# Altium PCB PROC099A_ASCII.PcbDoc (part 5 of 6) (continued)
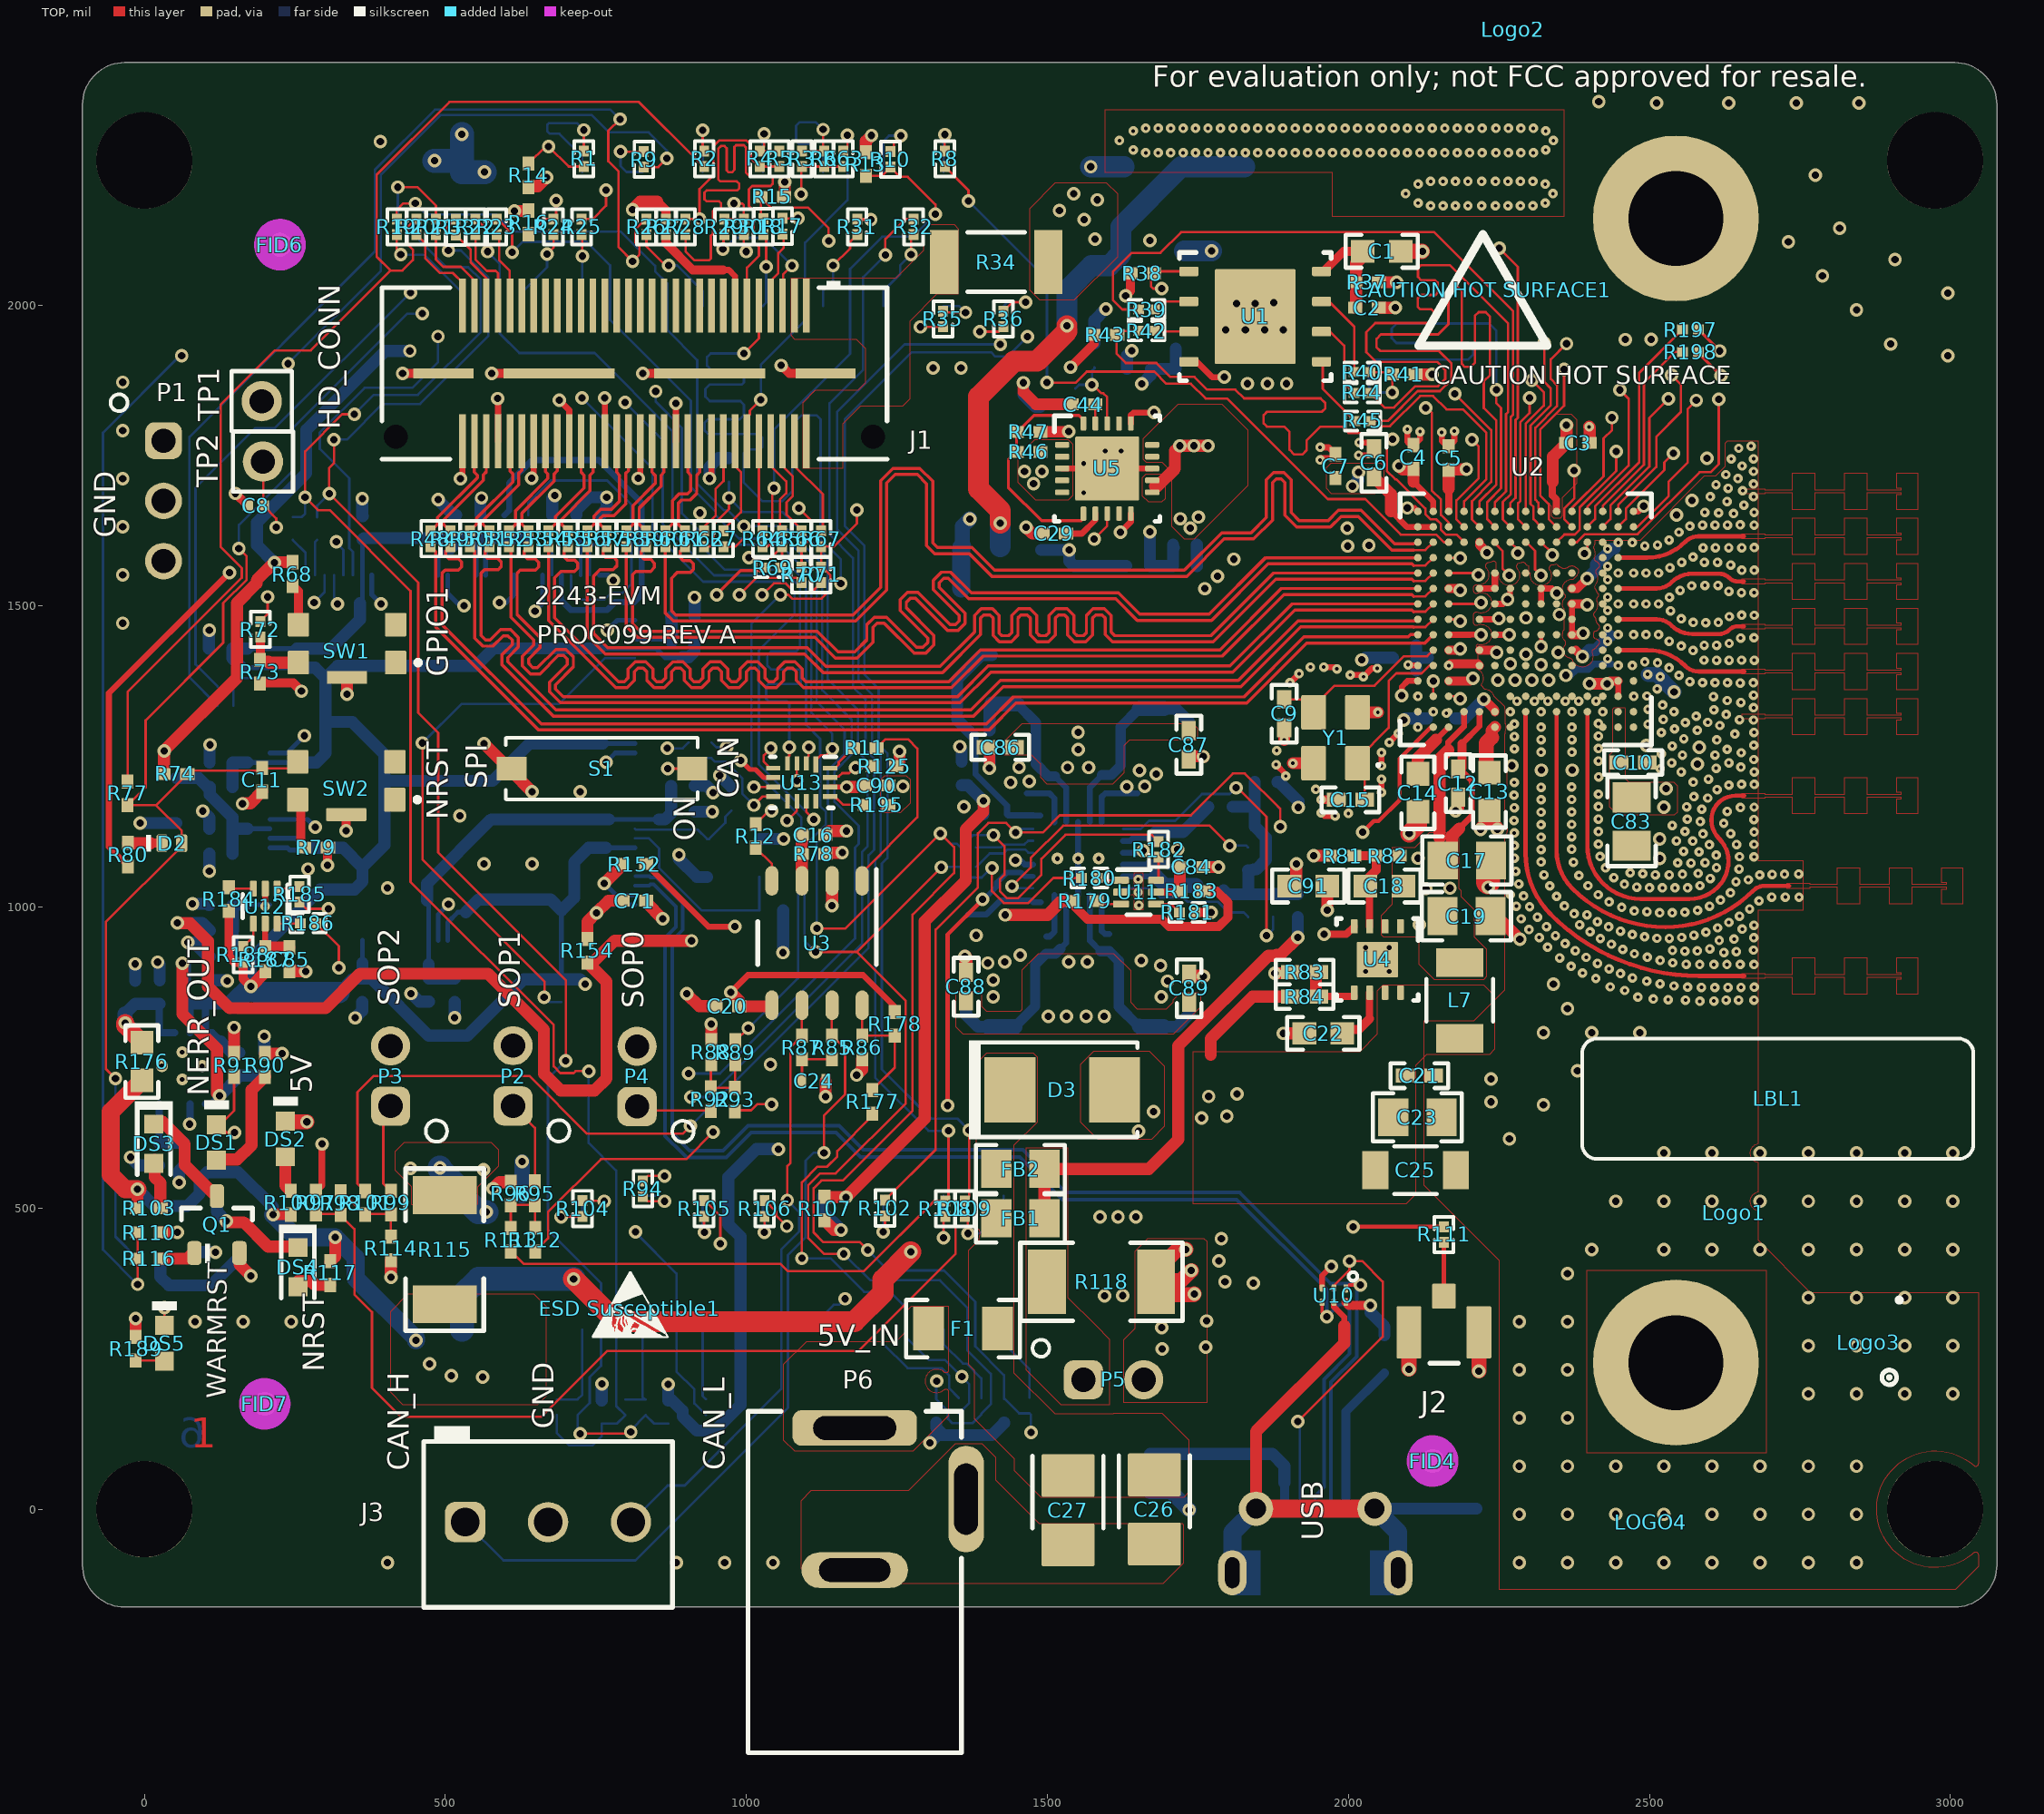
[diagram p0: TOP view]
## Polygon pours and split planes (outlines as drawn) (continued)
GND on TOP "GND 1-No Net" (solid, remove dead copper, pour order 1154): 1222.3,1210.76 1222.3,1158.69 1223.78,1157.21 1256.62,1157.21 1272.75,1173.35 1272.75,1211.41 1266.28,1217.88 1229.42,1217.88
5V_UNREG on TOP "TOP-5V_UNREG" (solid, remove dead copper, pour order 1171): 1645.66,428.88 1666.78,450 1760,450 1765,445 1765,177 1627,177 1627,282 1645.66,300.66
NetC26_1 on TOP "TOP-UNNAMED_9_CAPPOLARIZED_I74_1" (solid, remove dead copper, pour order 1178): 36 vertices, not listed, extent 1368.3,20.3 1735.5,757
GND on TOP "TOP-GND 6" (solid, remove dead copper, pour order 1167): 1673.76,615.01 1695,636.25 1695,676 1694.5,676.5 1694.5,735.5 1670,760 1576.63,760 1555.01,738.38 1555.01,642.99 1582.99,615.01
AR_1V2 on TOP "GND 1-No Net" (solid, remove dead copper, pour order 1165): 2344.78,1819.06 2370.22,1819.06 2379.16,1810.12 2379.16,1703.66 2355.11,1679.62 2355.11,1648.99 2351.76,1645.64 2341.19,1645.64 2337.64,1649.19 2337.64,1664.71 2318.55,1683.8 2318.55,1792.83
GND on TOP "TOP-GND" (solid, remove dead copper, pour order 1181): 2358,2324.5 2358,2146.5 1974,2146.5 1974,2219.5 1596,2219.5 1596,2324.5 2358,2324.5
NetF1_2 on TOP "TOP-UNNAMED_9_FUSE_I161_1" (solid, remove dead copper, pour order 1176): 92 vertices, not listed, extent 1062.23,96.19 1335.51,337.5
AR_1V2 on TOP "GND 1-No Net" (solid, remove dead copper, pour order 1244): 2043.97,1686.48 1972.44,1686.48 1963.98,1694.94 1963.98,1729.6 1971.63,1737.26 2053.7,1737.26 2058.49,1732.46 2058.49,1701.01
PMIC_1V8 on TOP "TOP-PMIC_2V3" (solid, remove dead copper, pour order 1177): 2224.8,870.55 2242.73,852.62 2242.73,763.68 2234.05,755 2129.43,755 2111.4,736.97 2111.4,522.48 2095.52,506.59 1742,506.59 1742,760.5 2019.66,760.5 2048.41,789.24 2048.41,860.76 2058.2,870.55
GND on TOP "TOP-GND 8" (solid, remove dead copper, pour order 1182): 996 vertices, not listed, extent 2124.85,-132.5 3047,1773.7
AR_1V2 on BOTTOM "GND 1-No Net" (solid, remove dead copper, pour order 1256): 1746.43,1467.51 1767.36,1446.57 1829.15,1446.57 1835.75,1453.17 1835.75,1529.07 1802.53,1562.29 1770.65,1562.29 1752.19,1543.57 1746.43,1537.8
GND on BOTTOM "BOTTOM-GND 8" (solid, remove dead copper, pour order 1224): 352 vertices, not listed, extent 1776.02,-130 3047.25,2366
AR_1P3_RF2 on BOTTOM "BOTTOM-AR_1P3_RF2" (solid, remove dead copper, pour order 1222): 47 vertices, not listed, extent 1708.12,1288.88 2802.34,1984.69
PMIC_1V2 on BOTTOM "GND 1-No Net" (solid, remove dead copper, pour order 1215): 25 vertices, not listed, extent 1553.42,1137.52 1856.66,1527.27
GND on BOTTOM "BOTTOM-GND 2" (solid, remove dead copper, pour order 1206): 1274.3,1801.29 1518.28,1801.29 1520.83,1803.84 1520.83,1861.25 1489.51,1892.57 1452.93,1892.57 1438.72,1906.78 1276.57,1906.78 1262,1892.22 1262,1813.59
5V_UNREG on BOTTOM "BOTTOM-5V_UNREG 3" (solid, remove dead copper, pour order 1201): 17 vertices, not listed, extent 1422,1105 1516.55,1312.76
GND on BOTTOM "BOTTOM-GND 6" (solid, remove dead copper, pour order 1212): 75 vertices, not listed, extent 1466.05,1105 1634.15,1383.5
GND on BOTTOM "BOTTOM-GND 5" (solid, remove dead copper, pour order 1211): 38 vertices, not listed, extent 1464.95,756.8 1631.55,1055.8
GND on BOTTOM "BOTTOM-GND 4" (solid, remove dead copper, pour order 1213): 1784.53,1796.5 1783.56,1797.48 1783.55,1847.73 1779.06,1852.22 1779.06,1910.56 1795,1926.5 1984,1926.5 2000,1910.5 2000,1810.73 1985.77,1796.5
GND on BOTTOM "BOTTOM-GND 3" (solid, remove dead copper, pour order 1202): 17 vertices, not listed, extent 2401,1353.52 2588,1416.5
5V_UNREG on BOTTOM "BOTTOM-5V_UNREG 1" (solid, remove dead copper, pour order 1205): 18 vertices, not listed, extent 1584.05,839.8 1711.12,1056
PMICOUT_3V3 on BOTTOM "BOTTOM-PMICOUT_3V3" (solid, remove dead copper, pour order 1209): 1462.22,1549 1520.6,1549 1540,1529.6 1540,1456.5 1484.04,1400.54 1368.25,1400.54 1368.25,1469.25 1396.57,1497.57 1396.57,1549
AR_1V8 on BOTTOM "BOTTOM-AR_1V8" (solid, remove dead copper, pour order 1198): 2424,1430.5 2424,1465.5 2434.98,1476.48 2526.78,1476.48 2527,1476.27 2527,1433.5 2453,1433.5 2450,1430.5 2424,1430.5
AR_VOUT_PA on BOTTOM "BOTTOM-AR_VOUT_PA" (solid, remove dead copper, pour order 1207): 2609,1264.5 2653,1264.5 2653,1185.5 2620,1152.5 2441,1152.5 2437,1156.5 2437,1200.5 2443,1206.5 2589,1206.5 2609,1226.5 2609,1264.5
MCU_5V on BOTTOM "BOTTOM-MCU_5V 1" (solid, remove dead copper, pour order 1208): 1783,347.5 1766,364.5 1766,475.5 1779,488.5 1824.86,488.5 1891,422.36 1891,356.5 1882,347.5 1783,347.5
MCU_5V on BOTTOM "BOTTOM-MCU_5V" (solid, remove dead copper, pour order 1210): 17 vertices, not listed, extent 415,464 584,597
5V_UNREG on BOTTOM "BOTTOM-5V_UNREG 2" (solid, remove dead copper, pour order 1203): 17 vertices, not listed, extent 1585,1105 1710.68,1313.16
PMIC_1V8 on BOTTOM "BOTTOM-PMIC_2V3 1" (solid, remove dead copper, pour order 1217): 18 vertices, not listed, extent 1560,593.4 1854.85,1029.4
5V_UNREG on BOTTOM "BOTTOM-5V_UNREG" (solid, remove dead copper, pour order 1204): 33 vertices, not listed, extent 1390.05,839.8 1518,1055.8
GND on BOTTOM "BOTTOM-GND 7" (solid, remove dead copper, pour order 1219): 375 vertices, not listed, extent 1574,144.5 1990.98,579
GND on BOTTOM "BOTTOM-GND" (solid, remove dead copper, pour order 1223): 2866.5,-131.45 2330.5,-131.45 2330.48,-131.48 2318.95,-131.48 2318.95,618.55 3047,618.55 3047,136 2916,136 2878,98 2871,91 2871,-131.45 2866.5,-131.45
AR_1V8 on BOTTOM "BOTTOM-AR_1V8 1" (solid, remove dead copper, pour order 1218): 462 vertices, not listed, extent 1980,956.11 2222,1554.5
AR_1P3_RF1 on BOTTOM "BOTTOM-AR_1P3_RF1" (solid, remove dead copper, pour order 1220): 109 vertices, not listed, extent 1709.24,1444.5 2686.52,1787.14
PMIC_1V0 on BOTTOM "GND 1-No Net" (solid, remove dead copper, pour order 1221): 36 vertices, not listed, extent 1198.58,621.88 1691.56,1866.4
MCU_5V on L3 "L3-MCU_5V" (solid, remove dead copper, pour order 1186): 17 vertices, not listed, extent 405,144.56 1866.22,592.98
GND on L3 "L3-GND 6" (solid, remove dead copper, pour order 1188): 722 vertices, not listed, extent -72.75,-132.5 3047.25,2372.5
AR_1V2 on L4 "L4-PMIC_1V2" (solid, remove dead copper, pour order 1189): 34 vertices, not listed, extent 1703.01,1411.5 2381.9,1819.48
5V_IN on L4 "L4-5V_IN" (solid, remove dead copper, pour order 1195): 471 vertices, not listed, extent 408.75,164.5 1597.98,2206.5
5V_UNREG on L4 "L4-5V_UNREG" (solid, remove dead copper, pour order 1193): 261 vertices, not listed, extent 1304.65,152.5 1795.2,1291.05
AR_1V8 on L4 "L4-AR_1V8" (solid, remove dead copper, pour order 1191): 509 vertices, not listed, extent 1942.47,848.07 2562,1589.5
GND on L4 "L4-GND" (solid, remove dead copper, pour order 1196): 722 vertices, not listed, extent -72.75,-132.5 3047.25,2372.5
GND on L2 "L2-GND 1" (solid, remove dead copper, pour order 1183): 2424.5,367 2424.5,120 2669.5,120 2669.5,367 2424.5,367
GND on L2 "L2-GND 2" (solid, remove dead copper, pour order 1184): 726 vertices, not listed, extent -72.74,-132.49 3047.24,2372.49
GND on L5 "L5-GND" (solid, remove dead copper, pour order 1197): 722 vertices, not listed, extent -72.75,-132.5 3047.25,2372.5

## Keep-outs
Keep-Out Layer:
  text ".Layer_Name" at -523,-1458.49 h60

## Other copper
TOP:
  text "1" at 76.39,102.36 h50
  text ".Layer_Name" at -523,-1458.49 h60
L2:
  text "2" at 68.06,102.36 h50
  text ".Layer_Name" at -523,-1458.49 h60
L3:
  text "3" at 68.06,102.36 h50
  text ".Layer_Name" at -523,-1458.49 h60
L4:
  text "4" at 68.06,102.36 h50
  text ".Layer_Name" at -523,-1458.49 h60
L5:
  text "5" at 68.06,102.36 h50
  text ".Layer_Name" at -523,-1458.49 h60
BOTTOM:
  text "6" at 101.39,102.36 h50
  text ".Layer_Name" at -523,-1458.49 h60

## Silkscreen, mask and mechanical layers (free items; w line width, h text height)
Top Overlay:
  circle w6: c894.62,627.38 r17.83
  circle w6: c485.18,628.05 r17.83
  circle w6: c688.62,628.38 r17.83
  circle w6: c-42.06,1837.57 r14.11
  circle w6: c1489.33,267.42 r14.11
  circle w6: c2007.63,386.64 r7.14
  text "HD_CONN" at 325,1793.5 h35 r90
  text "GND" at -48.33,1613 h35 r90
  text "2243-EVM" at 648,1502.5 h30
  text "PROC099 REV A" at 652,1437.33 h30
  text "GPIO1" at 504.55,1382.74 h35 r90
  text "SPI" at 569.09,1196.05 h35 r90
  text "CAN" at 987.03,1180.35 h35 r90
  text "NRST" at 504.55,1144.97 h35 r90
  text "ON" at 914.7,1109.62 h35 r90.31
  text "SOP2" at 424,836.5 h35 r90
  text "SOP1" at 624,831.5 h35 r90
  text "SOP0" at 829,831.5 h35 r90
  text "5V" at 278.28,691.14 h35 r90
  text "NERR_OUT" at 107.44,686.5 h35 r90
  text "5V_IN" at 1117.5,271 h35
  text "NRST" at 298.71,228.51 h35 r90
  text "WARMRST" at 134.9,184 h32 r89.47
  text "GND" at 679.67,133 h35 r90
  text "CAN_L" at 963.67,65 h35 r90
  text "CAN_H" at 439.67,64 h35 r90
  text "USB" at 1958,-52.5 h35 r90
  text ".Layer_Name" at -523,-1458.49 h60
Bottom Overlay:
  drawing of 8192 lines, arcs and shapes, not listed
  text "GND" at 1635.34,2394.5 h35 r90
  text "GND" at 1736.34,2394.5 h35 r90
  text "GND" at 544.67,2389.5 h35 r90
  text "3V3" at 1842.66,2383.93 h30 r90
  text "GND" at 691.34,695.5 h35 r90
  text "GND" at 1639.34,609.5 h35 r90
  text "GND" at 1748.34,608.5 h35 r90
  text ".Layer_Name" at -523,-1458.49 h60
Top Paste:
  text ".Layer_Name" at -523,-1458.49 h60
Bottom Paste:
  text ".Layer_Name" at -523,-1458.49 h60
Top Solder:
  text ".Layer_Name" at -523,-1458.49 h60
  text ".Layer_Name" at -523,-1458.49 h60
Bottom Solder:
  text ".Layer_Name" at -523,-1458.49 h60
Drill Guide:
  text ".Layer_Name" at -523,-1458.49 h60
M1 Board Outline:
  the board outline again, w10
  text ".Layer_Name" at -523,-1458.49 h60
M2 Board Dimensions:
  text ".Layer_Name" at -523,-1458.49 h60
M3 3D STEP Top:
  drawing of 2189 lines, arcs and shapes, not listed
  text ".Layer_Name" at -523,-1458.49 h60
M4 3D STEP Bottom:
  drawing of 3547 lines, arcs and shapes, not listed
  text ".Layer_Name" at -523,-1458.49 h60
M5 Assembly Top:
  region: 1573.73,232.01 1541.58,232.01 1541.58,199 1573.73,199
  rectangle: 3.25,1755.12 61.5,1795.24
  rectangle: 392.36,652.17 425.79,686.46
  rectangle: 595.1,653.88 628.11,683.89
  rectangle: 804.71,651.74 836.86,684.75
  rectangle: 505.35,-45.85 561.85,-0.8
  lines w10: -1392,-1530.17 5208,-1530.17 ; -1392,-1326.83 5210,-1326.83 ; -1392,-1123.5 -1392,-1733.5 2613,-1733.5 5210,-1733.5 5210,-1123.5 -1391.5,-1123.5 -1391.5,-1733.5 184,-1733.5 ; 1073,-1733.5 1073,-1123.5 ; 2340,-1326.83 2340,-1123.5 ; 3180,-1326.83 3180,-1123.5 ; 3802,-1740 3802,-1537.17
  text "COMPONENTS MARKED 'DNP' SHOULD NOT BE POPULATED." at 53.5,-918.5 h60
  text "ASSEMBLY VARIANT:" at 53,-1034 h60
  text ".VariantName" at 1089,-1034 h60
  text "PCB VIEWED FROM TOP SIDE" at -1328.5,-1255.67 h60
  text "BOARD #:" at 1148,-1255.67 h60
  text ".PRJ_Number" at 1693.5,-1255.67 h60
  text "REV:" at 2538,-1255.67 h60
  text ".PCB_Rev" at 2829.5,-1255.67 h60
  text "SVN REV:" at 3376,-1255.67 h60
  text ".VersionControl_RevNumber" at 3882,-1255.67 h60
  text "TID #:" at 1148,-1459 h60
  text ".TID" at 1693.5,-1459 h60
  text "PLOT NAME =" at -1328.5,-1664.34 h60
  text ".plot_File_Name" at -523,-1664.34 h60
  text "GENERATED    :" at 1150,-1664.34 h60
  text ".Print_Date" at 2019.5,-1664.34 h60
  text ".Print_Time" at 2748.5,-1664.34 h60
  text "TEXAS INSTRUMENTS" at 4013,-1664.34 h60
M6 Assembly Bottom:
  rectangle: 477.5,309.5 520.87,346.52
  rectangle: 477.5,2009.5 520.08,2041.65
  lines w10: -1392.5,-1327.33 5209.5,-1327.33 ; -1390.5,-1530.67 5209.5,-1530.67 ; 15.5,-1740.5 15.5,-1537.67 ; 637.5,-1327.33 637.5,-1124 ; 1477.5,-1327.33 1477.5,-1124 ; 2744.5,-1734 2744.5,-1124 ; 3633.5,-1734 5209,-1734 5209,-1124 -1392.5,-1124 -1392.5,-1734 1204.5,-1734 5209.5,-1734 5209.5,-1124
  text "COMPONENTS MARKED 'DNP' SHOULD NOT BE POPULATED." at 5002,-918 h60
  text ".VariantName" at 3958,-1034 h60
  text "ASSEMBLY VARIANT:" at 4997,-1034 h60
  text ".VersionControl_RevNumber" at -64.5,-1256.17 h60
  text "SVN REV:" at 441.5,-1256.17 h60
  text ".PCB_Rev" at 988,-1256.17 h60
  text "REV:" at 1279.5,-1256.17 h60
  text ".PRJ_Number" at 2124,-1256.17 h60
  text "BOARD #:" at 2669.5,-1256.17 h60
  text "PCB VIEWED FROM BOTTOM SIDE" at 5146,-1256.17 h60
  text ".TID" at 2124,-1459.5 h60
  text "TID #:" at 2669.5,-1459.5 h60
  text "TEXAS INSTRUMENTS" at -195.5,-1664.84 h60
  text ".Print_Time" at 1069,-1664.84 h60
  text ".Print_Date" at 1798,-1664.84 h60
  text "GENERATED    :" at 2667.5,-1664.84 h60
  text ".plot_File_Name" at 4340.5,-1664.84 h60
  text "PLOT NAME =" at 5146,-1664.84 h60
1:
  lines w1: 2633.36,918.75 2633.36,1666.78 3042.41,1666.78 3042.41,918.75 2633.36,918.75
M9 Title Sheet:
  lines w1: -25,0 25,0 ; 0,-25 0,25
  lines w10: -1591.5,441.5 -1391.5,441.5 ; -1591.5,2816.5 -1391.5,2816.5 ; -1591.5,5191.5 -1391.5,5191.5 ; 908.5,-1933.5 908.5,-1733.5 ; 908.5,7366.5 908.5,7566.5 ; 3408.5,-1933.5 3408.5,-1733.5 ; 3408.5,7366.5 3408.5,7566.5 ; 5221,-1733.5 5221,-1123.5 10203.5,-1123.5 ; 5908.5,-1933.5 5908.5,-1733.5 ; 5908.5,7366.5 5908.5,7566.5 ; 8408.5,-1933.5 8408.5,-1733.5 ; 8408.5,7366.5 8408.5,7566.5 ; 10203.5,-1733.5 10203.5,-1123.5 ; 10203.5,-1423.5 13203.5,-1423.5 ; 10203.5,-823.5 13203.5,-823.5 ; 10204.5,-229.5 13204.5,-229.5 ; 10908.5,-1933.5 10908.5,-1733.5 ; 10908.5,7366.5 10908.5,7566.5 ; 11708.5,-1723.5 11708.5,-1123.5 ; 13203.5,-1123.5 10203.5,-1123.5 ; 13203.5,-523.5 10203.5,-523.5 ; 13208.5,-533.5 13208.5,-1733.5 ; 13208.5,271 10204.5,271 10203.5,271 10203.5,-229.5 10203.5,-523.5 ; 13208.5,441.5 13408.5,441.5 ; 13208.5,2816.5 13408.5,2816.5 ; 13208.5,5191.5 13408.5,5191.5 ; 10203.5,-1123.5 10203.5,-523.5 ; 13208.5,-1733.5 -1391.5,-1733.5 -1391.5,7366.5 13208.5,7366.5 13208.5,-1733.5 ; -1591.5,-1933.5 13408.5,-1933.5 13408.5,7566.5 -1591.5,7566.5 -1591.5,-1933.5
  text "1" at -360.16,7436.5 h70
  text "2" at 2135.5,7436.5 h70
  text "3" at 4624.84,7436.5 h70
  text "4" at 7131.51,7436.5 h70
  text "5" at 9630.5,7436.5 h70
  text "6" at 12135.5,7436.5 h70
  text "A" at -1516.5,6293.5 h70
  text "A" at 13283.5,6293.5 h70
  text "B" at -1516.5,3913.5 h70
  text "B" at 13283.5,3913.5 h70
  text "C" at -1516.5,1538.5 h70
  text "C" at 13283.5,1538.5 h70
  text "PROJECT TITLE:" at 10243.5,-322.5 h45
  text ".PRJ_Title" at 10293.5,-455.83 h70
  text "DESIGNED FOR:" at 10243.5,-623.5 h45
  text ".PRJ_Customer" at 10293.5,-763.5 h70
  text "D" at -1516.5,-831.5 h70
  text "D" at 13283.5,-831.5 h70
  text "FILE NAME:" at 10243.5,-923.5 h45
  text ".PCB_File_Name_No_Path" at 10293.5,-1043.5 h70
  text "Texas Instruments (TI) and/or its licensors do not warrant the accuracy or completeness of this specification" at 5274,-1205.34 h45
  text "ENGINEER:" at 10243.5,-1213.5 h45
  text "LAYOUT BY:" at 11748.5,-1213.5 h45
  text "or any information contained therein. TI and/or its licensors do not warrant that this design will meet" at 5229.01,-1318 h45
  text ".PRJ_Engineer" at 10293.5,-1368.49 h70
  text ".PCB_Layout" at 11799,-1368.49 h70
  text "the specifications, will be suitable for your application or fit for any particular purpose, or will operate in" at 5229.01,-1430.67 h45
  text ".Layer_Name" at -523,-1458.49 h60
  text "ALTIUM DESIGNER VERSION:" at 11748.5,-1523.5 h45
  text "an implementation. TI and/or its licensors do not warrant that the design is production worthy. You should" at 5229.01,-1543.33 h45
  text "completely validate and test your design implementation to confirm the system functionality for your application." at 5274,-1656 h45
  text ".print_Scale" at 10293.5,-1656.83 h70
  text ".Application_BuildNumber" at 11799,-1656.83 h70
  text "1" at -360.16,-1863.5 h70
  text "2" at 2135.5,-1863.5 h70
  text "3" at 4624.84,-1863.5 h70
  text "4" at 7131.51,-1863.5 h70
  text "5" at 9630.5,-1863.5 h70
  text "WO # : 307314-7312-D" at 12135.5,-1863.5 h70
M10 Fab Notes:
  drawing of 211 lines, arcs and shapes, not listed
  text "DESIGN INFORMATION" at 11282.02,5756.17 h60
  text "3.9" at 11684.18,5628.43 h60
  text "MIN. TRACK WIDTH:" at 10637.46,5624.05 h60
  text "MIL" at 11888.46,5624.05 h60
  text "3.9" at 11684.18,5505.31 h60
  text "MIN. CLEARANCE:" at 10637.46,5499.92 h60
  text "MIL" at 11887.46,5493.05 h60
  text "13.77" at 11607.21,5377.48 h60
  text "MIN. VIA PAD SIZE:" at 10637.46,5375.8 h60
  text "MIL" at 11888.46,5375.8 h60
  text "0.05mm (2MIL)" at 11332.46,5245.9 h60
  text "MINIMUM ANNULAR RING" at 10308.23,5237.67 h60
  text "EXTERNAL" at 12040.46,5237.67 h60
  text "PER" at 10508.23,5127.55 h60
  text "IPC-D-275 CLASS 2 LEVEL C" at 10728.23,5127.54 h60
  text "MIL, HOLES" at 12216.46,5027.07 h60
  text "+/-" at 11824,5018.48 h60
  text "+/-" at 12678,5018.48 h60
  text "REGISTRATION TOLERANCES:" at 10308.23,5017.42 h60
  text "METAL" at 11508,5017.42 h60
  text "2" at 12084.2,5017.42 h60
  text "3" at 12917.2,5017.42 h60
  text "MIL" at 13033.46,5017.42 h60
  text "HOLE SIZE TOLERANCE (UNLESS OTHERWISE SPECIFIED):" at 10308.23,4919.1 h60
  text "+/-" at 12678,4916.23 h60
  text "3" at 12917.2,4915.17 h60
  text "MIL" at 13033.46,4915.17 h60
  text "MATERIAL:" at 10233.46,4777.52 h60
  text "FR-4 High Tg" at 11219.9,4649 h60
  text "REFER STACKUP" at 12479.29,4645.02 h60
  text "X" at 11955.46,4641.01 h60
  text "FR-408" at 10654.46,4636.49 h60
  text "OTHER" at 12142.46,4636.49 h60
  text "X" at 12138.91,4493.91 h60
  text "62 MIL (1.6mm) +/-10%" at 10974.56,4493.46 h60
  text "57.14 MIL +/-10%" at 12537.59,4492.07 h50
  text "THICKNESS:" at 10308.23,4485.24 h60
  text "OTHER" at 12259.46,4485.24 h60
  text "TOLERANCE:" at 10308.23,4346.92 h60
  text "X" at 11156.46,4346.92 h60
  text "ANSI IPC-6012 TYPE 3 CLASS 2" at 11334.48,4346.92 h60
  text "OTHER +/-" at 11334.46,4202.73 h60
  text "BOW & TWIST:" at 10308.23,4057.54 h60
  text "X" at 11156.46,4057.54 h60
  text "ANSI IPC-6012 TYPE 3 CLASS 2" at 11334.48,4057.54 h60
  text "OTHER +/-" at 11334.46,3910.85 h60
  text "DRILLING:" at 10233.46,3780.23 h60
  text "NC_DRILL FILES" at 11994.46,3675.04 h60
  text "REFERENCE:" at 10308.23,3671.1 h60
  text "X" at 10965.46,3671.01 h60
  text "AS SHOWN" at 11143.46,3671.1 h60
  text "X" at 11866.46,3671.1 h60
  text "OTHER" at 12292.46,3528.85 h60
  text "PTH COPPER THICKNESS:" at 10307.91,3525.32 h60
  text "X" at 11447.14,3525.32 h60
  text "20-30 um" at 11575.14,3525.32 h60
  text "BOARD FINISH:" at 10233.46,3377.73 h60
  text "SILKSCREEN:" at 10388.68,3267.6 h60
  text "X" at 11346.46,3267.6 h60
  text "TOP" at 11463.46,3267.6 h60
  text "X" at 11856.46,3267.6 h60
  text "BOTTOM" at 11974.46,3267.6 h60
  text "SILKSCREEN COLOR:" at 10388.68,3112.41 h60
  text "X" at 11345.46,3112.41 h60
  text "WHITE" at 11463.46,3112.41 h60
  text "OTHER" at 11974.46,3112.41 h60
  text "REFER NOTE 8" at 12531.96,2973.55 h60
  text "GREEN" at 11594.46,2968.96 h60
  text "X" at 12068.46,2968.96 h60
  text "OTHER" at 12212.46,2968.96 h60
  text "SOLDER RESIST COLOR:" at 10388.68,2962.1 h60
  text "X" at 11476.46,2814.71 h60
  text "MATTE" at 11594.46,2814.71 h60
  text "SEMI-GLOSS" at 12212,2814.07 h60
  text "IMMERSION GOLD (ENIG)" at 11294.46,2641.94 h60
  text "ENEPIG" at 12632,2634.72 h60
  text "SURFACE FINISH:" at 10233.46,2633.72 h60
  text "REFER NOTE 7" at 12356.19,2502.8 h60
  text "IMM. TIN/SILVER OR EQUIV" at 10563,2496.4 h60
  text "X" at 11822.92,2493.72 h60
  text "OTHER" at 11994.46,2492.47 h60
  text "ARRAY/PANEL:" at 10233.46,2337.09 h60
  text "CUT AND TRIM PER M1 BOARD OUTLINE" at 11294.46,2328.87 h60
  text "NOTES : UNLESS OTHERWISE SPECIFIED." at 4571.25,2263.62 h60
  text "N.C. ROUTE" at 11294.46,2192.9 h60
  text "X" at 11982.46,2192.9 h60
  text "V. SCORE" at 12160.46,2192.9 h60
  text "1. ALL VIAS ARE TENTED ON BOTH SIDES UNLESS SOLDERMASK OPENED IN GERBER." at 4680.97,2112.73 h60
  text "CERTIFICATION:" at 10233.46,2063.77 h60
  text "MATERIALS AND WORKMANSHIP FOR ALL PCBS" at 10958.46,2063.77 h60
  text "2. ALL VIAS ON PAD INCLUDING BGA AREA SHOULD BE FILLED WITH NON CONDUCTIVE EPOXY AND SURFACE SHOULD BE FLAT" at 4668.66,1987.45 h60
  text "TO MEET OR EXCEED THE REQUIREMENTS OF:" at 10958.46,1969.71 h60
  text "THERE ARE MANY VIAS ON THE PCB WHICH ARE EITHER ON THE PADS OR CLOSE TO PADS" at 4787.44,1880.17 h60
  text "X" at 10595.97,1841.08 h60
  text "ANSI IPC-A-600F CLASS ->" at 10723.96,1841.08 h60
  text "X" at 12371.97,1841.08 h60
  text "2" at 12481.96,1841.08 h60
  text "1" at 12166.96,1839.58 h60
  text "3" at 12835.96,1839.58 h60
  text "THESE NEED TO BE FILLED WITH A NON-CONDUCTIVE EPOXY TO ENSURE FLAT SURFACE." at 4787.44,1779.43 h60
  text "X" at 11407.97,1693.39 h60
  text "RoHS" at 11535.96,1693.39 h60
  text "OTHER" at 12180.36,1693.39 h60
  text "PER ORDER" at 12577.42,1693.39 h60
  text "BGA AREA VIAS SHOULD BE CAPPED WITH COPPER PLATING TO ENSURE FLAT SURFACE" at 4792.93,1677.9 h60
  text "FLATNESS TOLERANCE FOR VIA ON PADS: +0.000 /- 0.001 INCHES ON BOTH SIDES." at 4792.93,1569.81 h60
  text "ALL BOARDS MUST MEET OR EXCEED UL94-V0 REQUIREMENTS." at 10261,1539.57 h60
  text "3. MANUFACTURER'S IDENTIFICATION, DATECODE LETTER SHALL BE SILKSCREENED ON SOLDER SIDE OF THE BOARD." at 4669.6,1436.68 h60
  text "PCB MUST BEAR THE UL94V-0 UL REGISTERED MATERIAL ID NUMBER" at 10261,1423.5 h60
  text "4. TRACE WIDTH SHOULD BE ACCURATELY ETCHED. MAX TOLERANCE +/- 1 MIL" at 4669.6,1299.99 h60
  text "ADDITIONAL REQUIREMENTS:" at 10233.46,1254.08 h60
  text "5. FOR IMPEDANCE DETAILS REFER STACKUP & IMPEDANCE TABLE." at 4669.6,1159.9 h60
  text "MICROSECTION:" at 10308.23,1146.95 h60
  text "YES" at 11213.96,1146.95 h60
  text "REQUIRED" at 12075.46,1002.62 h60
  text "BARE BOARD ELEC. TEST:" at 10308.23,999.76 h60
  text "NONE" at 11613.96,999.76 h60
  text "X" at 11957.46,999.76 h60
  text "PER ORDER" at 12667.46,999.76 h60
  text "6. SOLDER MASK OPENING IS KEPT SAME SIZE AS PAD (1:1) FOR ALL COMPONENTS EXCEPT U2" at 4669.6,995.9 h60
  text "THE MANUFACTURER IS REQUESTED TO SIZE IT AS PER THEIR SOLDERMASK TOLERANCE." at 4784.01,889.17 h60
  text "XX MIL VIAS REQUIRE NON-CONDUCTIVE FILL AND PLANARIZE" at 10476.38,794.82 h59
  text "FOR U2 (BGA) PLEASE FOLLOW SAME SOLDERMASK SIZE AS GERBER" at 4796.11,779.23 h60
  text "XX MIL VIAS REQUIRE CONDUCTIVE FILL AND PLANARIZE" at 10484.38,690.84 h60
  text "7. SURFACE FINISH: IMMERSION SILVER" at 4669.6,641.3 h60
  text "OUTER XX MIL TRACES REQUIRE 50 OHM SINGLE-ENDED IMPEDANCE" at 10483.39,527.46 h56
  text "8. SOLDERMASK ON BOTH SIDES OF THE BOARD SHALL BE LPI, COLOR RED." at 4669.6,467.34 h60
  text "LAYER 2 & 3 (INNER LAYERS) XX MIL WIDE, XX MIL SPACE / TRACES REQUIRE 100 OHM DIFFERENTIAL IMPEDANCE" at 10475.39,291.74 h60
  text "9. FOR ANTENNA ETCHING TOLERANCE REFER \"ANTENNA ETCHING REQUIREMETS\" DOCUMENT." at 4669.6,288.48 h60
  text "10. THE FOUR GND NET ANTENNAS NEAR Y1 ARE INTENTIONAL" at 4634.42,154.85 h60
  text ".Layer_Name" at -523,-1458.49 h60
M11 Gerber Information:
  lines w10: -1392,-1530.17 5208,-1530.17 ; -1392,-1326.83 5210,-1326.83 ; -1392,-1123.5 -1392,-1733.5 2613,-1733.5 5210,-1733.5 5210,-1123.5 -1391.5,-1123.5 -1391.5,-1733.5 184,-1733.5 ; 1073,-1733.5 1073,-1123.5 ; 2340,-1326.83 2340,-1123.5 ; 3180,-1326.83 3180,-1123.5 ; 3802,-1740 3802,-1537.17
  text "ALL ARTWORK VIEWED FROM TOP SIDE" at -1328.5,-1255.67 h60
  text "BOARD #:" at 1148,-1255.67 h60
  text ".PRJ_Number" at 1693.5,-1255.67 h60
  text "REV:" at 2538,-1255.67 h60
  text ".PCB_Rev" at 2829.5,-1255.67 h60
  text "SVN REV:" at 3376,-1255.67 h60
  text ".VersionControl_RevNumber" at 3882,-1255.67 h60
  text "LAYER NAME =" at -1328.5,-1458.49 h60
  text "TID #:" at 1148,-1459 h60
  text ".TID" at 1693.5,-1459 h60
  text "GENERATED    :" at 1150,-1664.34 h60
  text ".Print_Date" at 2019.5,-1664.34 h60
  text ".Print_Time" at 2748.5,-1664.34 h60
  text "TEXAS INSTRUMENTS" at 4013,-1664.34 h60
M12 Stackup:
  drawing of 480 lines, arcs and shapes, not listed
  text "LAYER STACKUP :" at -787.01,7220.54 h60
  text "Layer" at -787.72,7029.91 h50
  text "Name" at -444.79,7029.91 h50
  text "Material" at 331.33,7029.91 h50
  text "Thickness" at 1049.14,7029.91 h50
  text "Constant" at 1592,7029.91 h50
  text "Board Layer Stack" at 2068.22,7029.91 h50
  text "1" at -787.72,6929.91 h50
  text "Top Overlay" at -444.79,6929.91 h50
  text "2" at -787.72,6829.91 h50
  text "Top Solder" at -444.79,6829.91 h50
  text "Solder Resist" at 331.33,6829.91 h50
  text "0.80mil" at 1049.14,6829.91 h50
  text "3.5" at 1592,6829.91 h50
  text "5" at -940.77,6764.82 h60
  text "3" at -787.72,6729.91 h50
  text "TOP" at -444.79,6729.91 h50
  text "Copper" at 331.33,6729.91 h50
  text "1.60mil" at 1049.14,6729.91 h50
  text "4" at -787.72,6629.91 h50
  text "Dielectric 1" at -444.79,6629.91 h50
  text "RO4835 LOPRO" at 331.33,6629.91 h50
  text "4.00mil" at 1049.14,6629.91 h50
  text "3.66" at 1592,6629.91 h50
  text "IMPEDANCE TABLE :" at 3600.83,6555.94 h70
  text "L1-L2" at -1106.13,6551.81 h60 r90
  text "5" at 3430.22,6544.62 h70
  text "5" at -787.72,6529.91 h50
  text "L2" at -444.79,6529.91 h50
  text "Copper" at 331.33,6529.91 h50
  text "1.20mil" at 1049.14,6529.91 h50
  text "6" at -787.72,6429.91 h50
  text "Dielectric2" at -444.79,6429.91 h50
  text "FR4 370HR" at 331.33,6429.91 h50
  text "2.85mil" at 1049.14,6429.91 h50
  text "3.9" at 1592,6429.91 h50
  text "7" at -787.72,6329.91 h50
  text "Dielectric 3" at -444.79,6329.91 h50
  text "FR4 370HR" at 331.33,6329.91 h50
  text "2.85mil" at 1049.14,6329.91 h50
  text "3.9" at 1592,6329.91 h50
  text "8" at -787.72,6229.91 h50
  text "L3" at -444.79,6229.91 h50
  text "Copper" at 331.33,6229.91 h50
  text "1.20mil" at 1049.14,6229.91 h50
  text "LAYER NO" at 3653.01,6214.39 h70
  text "CONDUCTOR WIDTH" at 4298.52,6214.39 h70
  text "IMPEDANCE +/-10%" at 6498.49,6214.26 h70
  text "REFERENCE GND" at 7679.53,6214.26 h70
  text "DIFF. / PAIR / SPACING" at 5360.47,6154.24 h70
  text "CPWG / SPACING" at 5898.82,6148.65 h70
  text "9" at -787.72,6129.91 h50
  text "Dielectric4" at -444.79,6129.91 h50
  text "FR4 370HR" at 331.33,6129.91 h50
  text "28.00mil" at 1049.14,6129.91 h50
  text "4.36" at 1592,6129.91 h50
  text "L1-L6" at -1287.73,6062.58 h60 r90
  text "10" at -787.72,6029.91 h50
  text "L4" at -444.79,6029.91 h50
  text "Copper" at 331.33,6029.91 h50
  text "1.20mil" at 1049.14,6029.91 h50
  text "7.08mil" at 4585.89,5945.53 h70
  text "1 (TOP)" at 3762.55,5943.06 h70
  text "GND" at 7928.75,5942.93 h70
  text "6.73mil" at 5934.76,5942.19 h70
  text "N/A" at 5444.9,5939.72 h70
  text "50ohm" at 6746,5939.67 h70
  text "11" at -787.72,5929.91 h50
  text "Dielectric5" at -444.79,5929.91 h50
  text "FR4 370HR" at 331.33,5929.91 h50
  text "2.92mil" at 1049.14,5929.91 h50
  text "3.9" at 1592,5929.91 h50
  text "12" at -787.72,5829.91 h50
  text "Dielectric 6" at -444.79,5829.91 h50
  text "FR4 370HR" at 331.33,5829.91 h50
  text "2.92mil" at 1049.14,5829.91 h50
  text "3.9" at 1592,5829.91 h50
  text "13" at -787.72,5729.91 h50
  text "L5" at -444.79,5729.91 h50
  text "Copper" at 331.33,5729.91 h50
  text "1.20mil" at 1049.14,5729.91 h50
  text "5.2mil" at 4585.89,5650.53 h70
  text "1 (TOP)" at 3762.55,5648.06 h70
  text "GND" at 7928.75,5647.93 h70
  text "5mil" at 5444.9,5644.72 h70
  text "N/A" at 5979.8,5644.59 h70
  text "100ohm" at 6746,5644.67 h70
  text "14" at -787.72,5629.91 h50
  text "Dielectric7" at -444.79,5629.91 h50
  text "FR4 370HR" at 331.33,5629.91 h50
  text "4.00mil" at 1049.14,5629.91 h50
  text "4.26" at 1592,5629.91 h50
  text "15" at -787.72,5529.91 h50
  text "BOTTOM" at -444.79,5529.91 h50
  text "Copper" at 331.33,5529.91 h50
  text "1.60mil" at 1049.14,5529.91 h50
  text "16" at -787.72,5429.91 h50
  text "Bottom Solder" at -444.79,5429.91 h50
  text "Solder Resist" at 331.33,5429.91 h50
  text "0.80mil" at 1049.14,5429.91 h50
  text "3.5" at 1592,5429.91 h50
  text "17" at -787.72,5329.91 h50
  text "Bottom Overlay" at -444.79,5329.91 h50
  text "THIS IS AN IMPEDANCE CONTROLLED BOARD." at -138.1,5200.05 h75
  text "NOTE :" at -1292.53,5078.05 h75
  text "EXTERNAL LAYER CU THICKNESSES ARE FINISHED THICKNESS AFTER PLATING." at -1218.64,4910.1 h75
  text ".Layer_Name" at -523,-1458.49 h60
M13 Component Bodies Top:
  text ".Layer_Name" at -523,-1458.49 h60
M14 Component Bodies Bottom:
  text ".Layer_Name" at -523,-1458.49 h60
M15 Courtyards Top:
  text ".Layer_Name" at -523,-1458.49 h60
M16 Courtyards Bottom:
  text ".Layer_Name" at -523,-1458.49 h60